# Altium PCB PCBv2.PcbDoc
Units mil, origin at the board's own origin, x right, y up, seen from the top; angles counter-clockwise.
Board outline 6000 x 4000 mil, 2 copper layers (Top Layer, Bottom Layer); 183 components, 163 nets, 707 pads, 0 vias.
Unrouted connection lines stored in the file: 445.
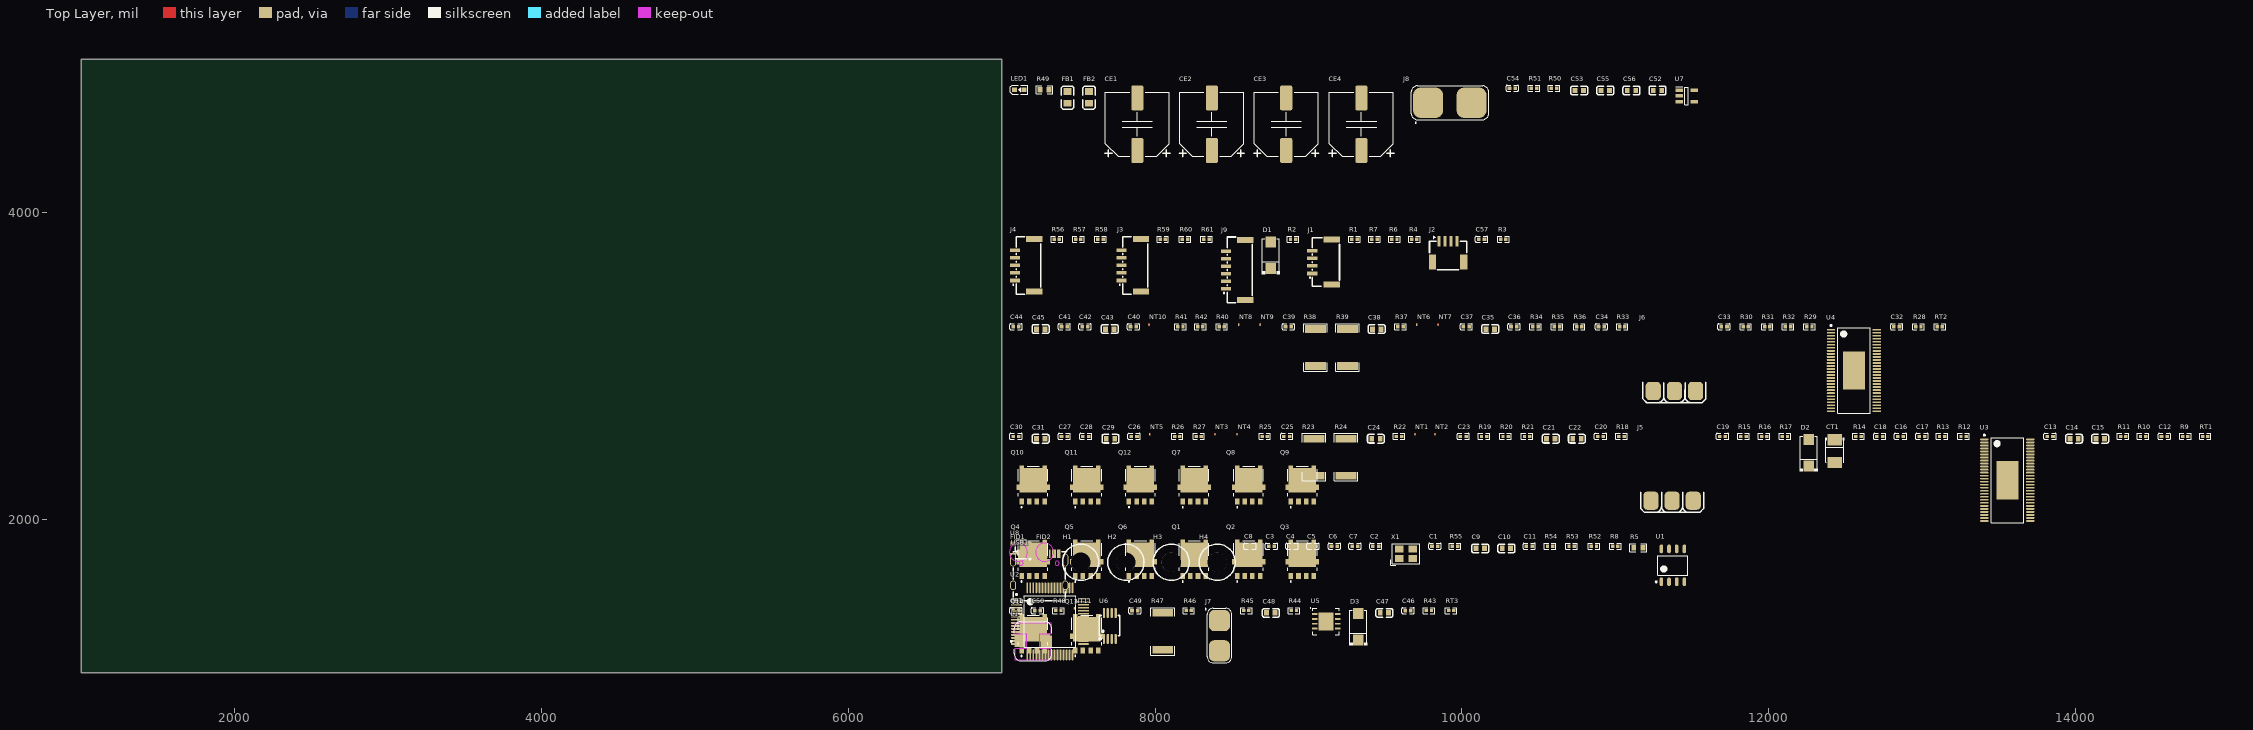
[diagram p0: Top Layer view]
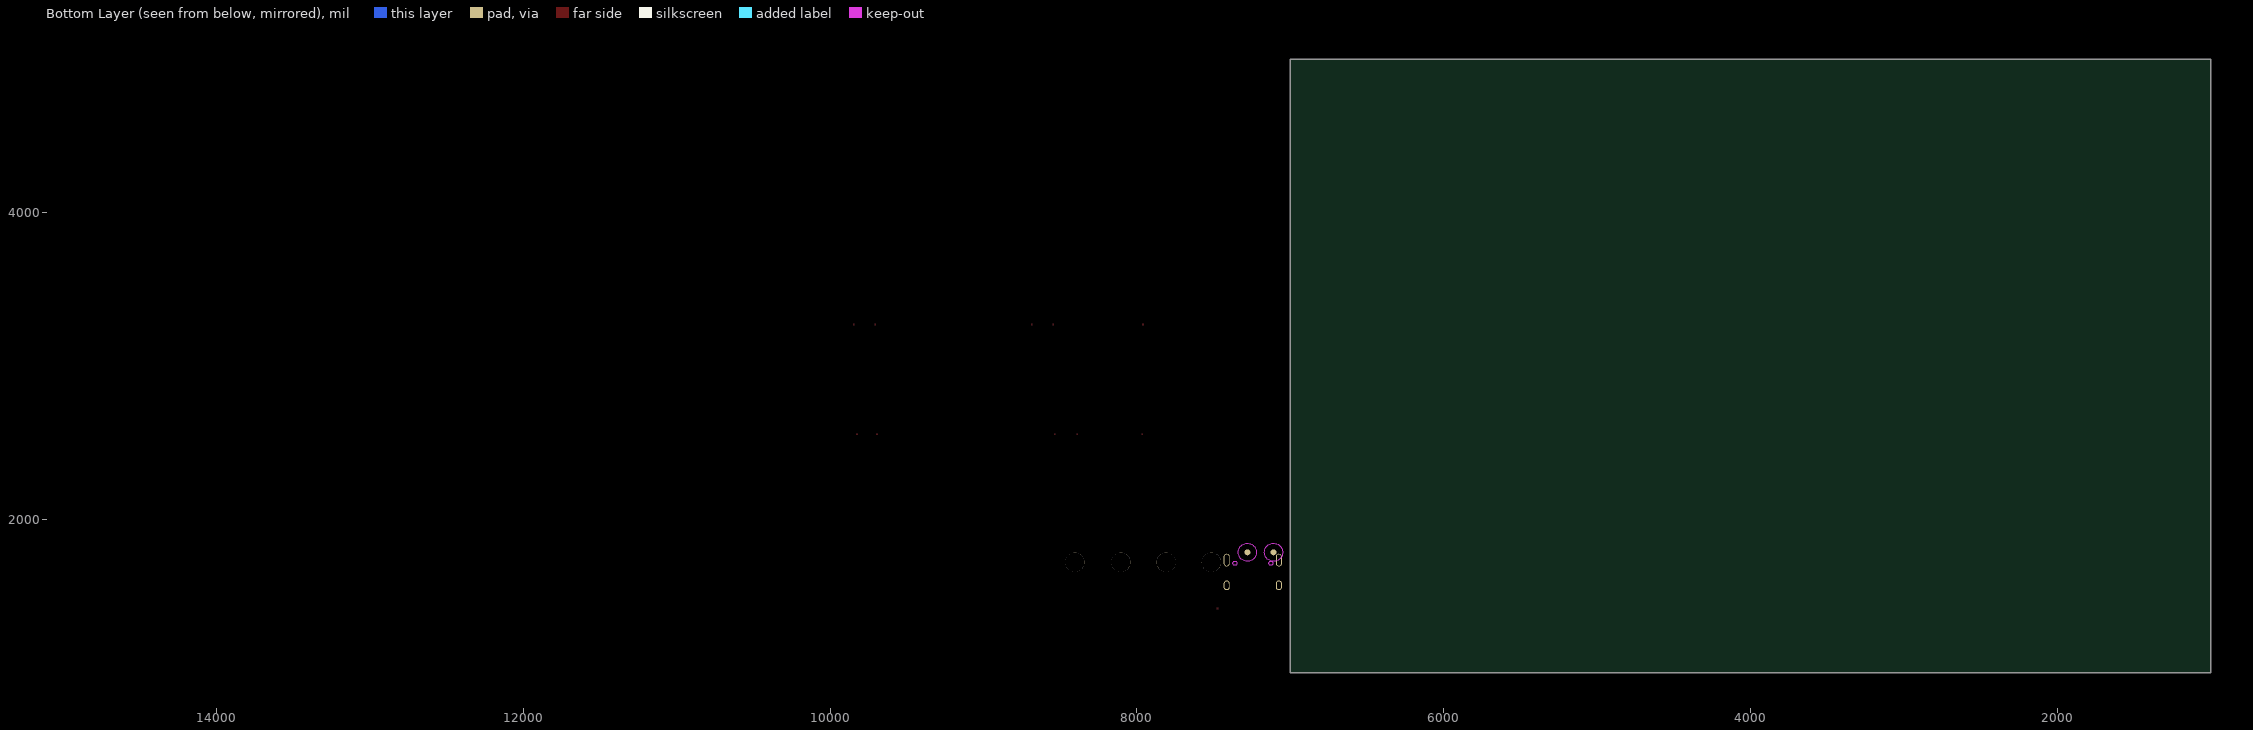
[diagram p1: Bottom Layer view, seen from below]

## Layer stack, top to bottom
Top Solder: solder mask 0.4, Solder Resist, Dk 3.5
Top Layer: signal copper 1.4
Dielectric 1: dielectric 12.6, FR-4, Dk 4.8
Bottom Layer: signal copper 1.4
Bottom Solder: solder mask 0.4, Solder Resist, Dk 3.5

## Board outline
1000,1000 7000,1000 7000,5000 1000,5000

## Design rules (kind name [scope] priority, off if disabled: settings)
Clearance [All] p1: gap=10 ignorepadtopadclearanceinfootprint=FALSE
DiffPairsRouting [All] p1: maxlimit=10 minlimit=10 mostfreqgap=10 toplayer_minwidth=15 toplayer_maxwidth=15 toplayer_prefwidth=15 bottomlayer_minwidth=15 bottomlayer_maxwidth=15 bottomlayer_prefwidth=15 maxuncoupledlength=500
PolygonConnect [All] p1: connectstyle=Relief reliefconductorwidth=10 reliefentries=4 polygonreliefangle="90 Angle" airgapwidth=10
RoomDefinition U_Power [InComponentClass('U_Power')] p1: confinementstyle=ConfineIn formatcopy=TRUE lockcomponents=FALSE outline 7045,3965 11555,3965 11555,4900 7045,4900
RoutingVias [All] p1: holewidth=28 width=50 viastyle="Through Hole" minholewidth=28 minwidth=50 maxholewidth=28 maxwidth=50
SolderMaskExpansion [All] p1: expansion=4 istentingtop=FALSE
SupplyNets "Schematic Supply Nets_8" [InNet('GVDD')] p1: voltage=0.000
SupplyNets "Schematic Supply Nets_7" [InNet('USB_5V')] p2: voltage=0.000
SupplyNets "Schematic Supply Nets_6" [InNet('VCC5V0_SYS')] p3: voltage=0.000
SupplyNets "Schematic Supply Nets_5" [InNet('AGND')] p4: voltage=0.000
SupplyNets "Schematic Supply Nets_4" [InNet('VCC3V3_ASYS')] p5: voltage=0.000
SupplyNets "Schematic Supply Nets_3" [InNet('GND')] p6: voltage=0.000
SupplyNets "Schematic Supply Nets_2" [InNet('VCC3V3_SYS')] p7: voltage=0.000
SupplyNets "Schematic Supply Nets_1" [InNet('PGND')] p8: voltage=0.000
SupplyNets "Schematic Supply Nets" [InNet('VCC16V8_DCBUS')] p9: voltage=0.000
Width [All] p1: maxlimit=10 minlimit=10 preferedwidth=10
29 further rules are at their usual default settings.

## Classes and differential pairs
net class GPIO_[1..5]: GPIO_1 GPIO_2 GPIO_3 GPIO_4 GPIO_5
component class U_Power: C52 C53 C54 C55 C56 CE1 CE2 CE3 CE4 FB1 FB2 J8 LED1 R49 R50 R51 U7 U8
component class U_Port: C57 D1 J1 J2 J3 J4 J9 R1 R2 R3 R4 R6 R7 R56 R57 R58 R59 R60 R61 USB1
component class U_MotorCell: C12 C13 C14 C15 C16 C17 C18 C19 C20 C21 C22 C23 C24 C25 C26 C27 C28 C29 C30 C31 CT1 D2 J5 L1 NT1 NT2 NT3 NT4 NT5 Q1 Q2 Q3 Q4 Q5 Q6 R9 R10 R11 R12 R13 R14 R15 R16 R17 R18 R19 R20 R21 R22 R23 R24 R25 R26 R27 RT1 U3
component class U_MotorCell_noPow: C32 C33 C34 C35 C36 C37 C38 C39 C40 C41 C42 C43 C44 C45 J6 NT6 NT7 NT8 NT9 NT10 Q7 Q8 Q9 Q10 Q11 Q12 R28 R29 R30 R31 R32 R33 R34 R35 R36 R37 R38 R39 R40 R41 R42 RT2 U4
component class U_Control: C1 C2 C3 C4 C5 C6 C7 C8 C9 C10 C11 FID1 FID2 H1 H2 H3 H4 R5 R8 R52 R53 R54 R55 U1 U2 X1
component class U_AuxHalfH: C46 C47 C48 C49 C50 C51 D3 J7 NT11 Q13 Q14 R43 R44 R45 R46 R47 R48 RT3 U5 U6
differential pair USB: +USB_P -USB_N
differential pair SENSE: +SENSE_P -SENSE_N
differential pair OSC: +OSC_P -OSC_N
differential pair CAN: +CAN_P -CAN_N
differential pair CAN_MCU: +CAN_MCU_P -CAN_MCU_N

## Components (designator, comment, footprint, x,y, rotation, side; value= is the part's Value field where it differs from the comment)
C1 "10pF ±5%_X7R" C0402 9805,1825 r0 top
C2 "10pF ±5%_X7R" C0402 9420,1825 r0 top
C3 "100nF ±5%_X7R" C0402 8740,1825 r0 top
C4 "100nF ±5%_X7R" C0402 8875,1825 r0 top
C5 "F ±5%_X7R" C0402 9010,1825 r0 top
C6 "F ±5%_X7R" C0402 9150,1825 r0 top
C7 "F ±5%_X7R" C0402 9285,1825 r0 top
C8 "100nF ±5%_X7R" C0402 8600,1825 r0 top
C9 "2.2uF ±5%_X7R" C0603 10120,1810 r0 top
C10 "2.2uF ±5%_X7R" C0603 10290,1810 r0 top
C11 "100nF ±5%_X7R" C0402 10420,1825 r0 top
C12 "2.2uF ±5%_X7R" C0402 14560,2540 r0 top
C13 "100nF ±5%_X7R" C0402 13815,2540 r0 top
C14 "4.7uF ±5%_X7R" C0603 13990,2525 r0 top
C15 "4.7uF ±5%_X7R" C0603 14160,2525 r0 top
C16 "82pF ±5%_X7R" C0402 12840,2540 r0 top
C17 "100nF ±5%_X7R" C0402 12980,2540 r0 top
C18 "270pF ±5%_X7R" C0402 12705,2540 r0 top
C19 "100nF ±5%_X7R" C0402 11680,2540 r0 top
C20 "100nF ±5%_X7R" C0402 10885,2540 r0 top
C21 "2.2uF ±5%_X7R" C0603 10580,2525 r0 top
C22 "22nF ±5%_X7R" C0603 10750,2525 r0 top
C23 "100nF ±5%_X7R" C0402 9990,2540 r0 top
C24 "2.2uF ±5%_X7R" C0603 9440,2525 r0 top
C25 "2.2nF ±5%_X7R" C0402 8840,2540 r0 top
C26 "2.2nF ±5%_X7R" C0402 7845,2540 r0 top
C27 "2.2nF ±5%_X7R" C0402 7390,2540 r0 top
C28 "2.2nF ±5%_X7R" C0402 7530,2540 r0 top
C29 "2.2uF ±5%_X7R" C0603 7710,2525 r0 top
C30 "100nF ±5%_X7R" C0402 7075,2540 r0 top
C31 "4.7uF ±5%_X7R" C0603 7255,2525 r0 top
C32 "2.2uF ±5%_X7R" C0402 12815,3255 r0 top
C33 "100nF ±5%_X7R" C0402 11690,3255 r0 top
C34 "100nF ±5%_X7R" C0402 10890,3255 r0 top
C35 "2.2uF ±5%_X7R" C0603 10185,3240 r0 top
C36 "22nF ±5%_X7R" C0402 10320,3255 r0 top
C37 "100nF ±5%_X7R" C0402 10010,3255 r0 top
C38 "2.2uF ±5%_X7R" C0603 9445,3240 r0 top
C39 "2.2nF ±5%_X7R" C0402 8850,3255 r0 top
C40 "2.2nF ±5%_X7R" C0402 7840,3255 r0 top
C41 "2.2nF ±5%_X7R" C0402 7390,3255 r0 top
C42 "2.2nF ±5%_X7R" C0402 7525,3255 r0 top
C43 "2.2uF ±5%_X7R" C0603 7705,3240 r0 top
C44 "100nF ±5%_X7R" C0402 7075,3255 r0 top
C45 "4.7uF ±5%_X7R" C0603 7255,3240 r0 top
C46 "2.2uF ±5%_X7R" C0402 9630,1405 r0 top
C47 "100nF ±5%_X7R" C0603 9495,1390 r0 top
C48 "2.2uF ±5%_X7R" C0603 8755,1390 r0 top
C49 "2.2uF ±5%_X7R" C0402 7850,1405 r0 top
C50 "100nF ±5%_X7R" C0402 7215,1405 r0 top
C51 "2.2uF ±5%_X7R" C0402 7075,1405 r0 top
C52 "1uF ±5%_X7R" C0603 11275,4795 r0 top
C53 "1uF ±5%_X7R" C0603 10765,4795 r0 top
C54 "2.2uF ±5%_X7R" C0402 10310,4810 r0 top
C55 "10uF ±5%_X7R" C0603 10935,4795 r0 top
C56 "10uF ±5%_X7R" C0603 11105,4795 r0 top
C57 "100nF ±5%_X7R" C0402 10110,3825 r0 top
CE1 "470uF / 35V" CAP_ELEC_SIZE_G 7885,4575 r0 top
CE2 "470uF / 35V" CAP_ELEC_SIZE_G 8370,4575 r0 top
CE3 "470uF / 35V" CAP_ELEC_SIZE_G 8855,4575 r0 top
CE4 "470uF / 35V" CAP_ELEC_SIZE_G 9345,4575 r0 top
CT1 "68uF ±10% 10V" CAP-SMD-R-RD 12430,2445 r90 top value=330uF
D1 "B340A-13-F" SMA_L4.4-W2.6-LS5.0-RD 8755,3720 r90 top
D2 "B340A-13-F" SMA_L4.4-W2.6-LS5.0-RD 12260,2435 r90 top
D3 "B340A-13-F" SMA_L4.4-W2.6-LS5.0-RD 9325,1300 r90 top
FB1 "?Ω@100MHz" L0805 7430,4750 r90 top
FB2 "?Ω@100MHz" L0805 7570,4750 r90 top
FID1 "MARK Point" FIDUCIAL 7110,1785 r0 top
FID2 "MARK Point" FIDUCIAL 7280,1785 r0 top
H1 "M3" M3_NPTH 7515,1720 r0 top
H2 "M3" M3_NPTH 7810,1720 r0 top
H3 "M?" M3_NPTH 8105,1720 r0 top
H4 "M3" M3_NPTH 8405,1720 r0 top
J1 "GH1.25-4P" GH1.25-4P 9100,3675 r90 top
J2 "SH1.0-4P" CONN-SMD_4P-P1.00_BX-SH1.0-4PWT 9910,3745 r0 top
J3 "GH1.25-5P" GH1.25-5P 7845,3655 r90 top
J4 "GH1.25-5P" GH1.25-5P 7150,3655 r90 top
J5 "MR30PB-F" "MR30PB-F [Straight] [SMT]" 11370,2180 r0 top
J6 "MR30PB-F" "MR30PB-F [Straight] [SMT]" 11385,2895 r0 top
J7 "2square_pads" 2pads_square 8420,1340 r0 top
J8 "XT60_2pads" XT60_2pads 9780,4715 r0 top
J9 "GH1.25-6P" GH1.25-6P 8525,3625 r90 top
L1 "22uH, 2A" WE-PD_6050R 7205,1205 r0 top
LED1 "GREEN" LED0603-RD 7115,4800 r0 top
NT1 "?mil" NETTIE_8mil 9695,2550 r90 top net-tie
NT2 "?mil" NETTIE_8mil 9825,2550 r90 top net-tie
NT3 "?mil" NETTIE_8mil 8390,2550 r90 top net-tie
NT4 "?mil" NETTIE_8mil 8535,2550 r90 top net-tie
NT5 "?mil" NETTIE_8mil 7965,2550 r90 top net-tie
NT6 "?mil" NETTIE_8mil 9705,3265 r90 top net-tie
NT7 "?mil" NETTIE_8mil 9845,3265 r90 top net-tie
NT8 "?mil" NETTIE_8mil 8545,3265 r90 top net-tie
NT9 "?mil" NETTIE_8mil 8685,3265 r90 top net-tie
NT10 "?mil" NETTIE_8mil 7960,3265 r90 top net-tie
NT11 "?mil" NETTIE_8mil 7475,1415 r90 top net-tie
Q1 "NTMFS4935NT1G" NRVTS10100EMFST1G 8180,1630 r0 top
Q2 "NTMFS4935NT1G" NRVTS10100EMFST1G 8535,1630 r0 top
Q3 "NTMFS4935NT1G" NRVTS10100EMFST1G 8885,1630 r0 top
Q4 "NTMFS4935NT1G" NRVTS10100EMFST1G 7130,1630 r0 top
Q5 "NTMFS4935NT1G" NRVTS10100EMFST1G 7480,1630 r0 top
Q6 "NTMFS4935NT1G" NRVTS10100EMFST1G 7830,1630 r0 top
Q7 "NTMFS4935NT1G" NRVTS10100EMFST1G 8180,2115 r0 top
Q8 "NTMFS4935NT1G" NRVTS10100EMFST1G 8535,2115 r0 top
Q9 "NTMFS4935NT1G" NRVTS10100EMFST1G 8885,2115 r0 top
Q10 "NTMFS4935NT1G" NRVTS10100EMFST1G 7130,2115 r0 top
Q11 "NTMFS4935NT1G" NRVTS10100EMFST1G 7480,2115 r0 top
Q12 "NTMFS4935NT1G" NRVTS10100EMFST1G 7830,2115 r0 top
Q13 "NTMFS4935NT1G" NRVTS10100EMFST1G 7480,1145 r0 top
Q14 "NTMFS4935NT1G" NRVTS10100EMFST1G 7130,1145 r0 top
R1 "22Ω ±1% 62.5mW" R0402 9300,3825 r0 top
R2 "22Ω ±1% 62.5mW" R0402 8900,3825 r0 top
R3 "5.1kΩ ±1% 62.5mW" R0402 10270,3825 r0 top
R4 "22Ω ±1% 62.5mW" R0402 9690,3825 r0 top
R5 "120Ω ±1% 100mW" R0603 11150,1815 r0 top
R6 "22Ω ±1% 62.5mW" R0402 9560,3825 r0 top
R7 "5.1kΩ ±1% 62.5mW" R0402 9430,3825 r0 top
R8 "47kΩ ±1% 100mW" R0402 11000,1825 r0 top
R9 "3.3kΩ ±1% 62.5mW" R0402 14715,2540 r0 top
R10 "18kΩ ±1% 100mW" R0402 14440,2540 r0 top
R11 "3.3kΩ ±1% 100mW" R0402 14310,2540 r0 top
R12 "220kΩ ±1% 100mW" R0402 13270,2540 r0 top
R13 "47kΩ ±1% 100mW" R0402 13130,2540 r0 top
R14 "18kΩ ±1% 100mW" R0402 12585,2540 r0 top
R15 "2.2Ω ±1% 100mW" R0402 11835,2540 r0 top
R16 "2.2Ω ±1% 100mW" R0402 11970,2540 r0 top
R17 "2.2Ω ±1% 100mW" R0402 12105,2540 r0 top
R18 "22Ω ±1% 100mW" R0402 11040,2540 r0 top
R19 "2.2Ω ±1% 100mW" R0402 10145,2540 r0 top
R20 "2.2Ω ±1% 100mW" R0402 10285,2540 r0 top
R21 "2.2Ω ±1% 100mW" R0402 10425,2540 r0 top
R22 "120Ω ±1% 62.5mW" R0402 9590,2540 r0 top
R23 "500uΩ ±1% 200mW" R2512 9035,2405 r90 top
R24 "500uΩ ±1% 200mW" R2512 9245,2405 r90 top
R25 "22Ω ±1% 62.5mW" R0402 8715,2540 r0 top
R26 "22Ω ±1% 62.5mW" R0402 8145,2540 r0 top
R27 "120Ω ±1% 62.5mW" R0402 8285,2540 r0 top
R28 "3.3kΩ ±1% 62.5mW" R0402 12975,3255 r0 top
R29 "18kΩ ±1% 100mW" R0402 12265,3255 r0 top
R30 "2.2Ω ±1% 100mW" R0402 11850,3255 r0 top
R31 "2.2Ω ±1% 100mW" R0402 11990,3255 r0 top
R32 "2.2Ω ±1% 100mW" R0402 12125,3255 r0 top
R33 "22Ω ±1% 100mW" R0402 11045,3255 r0 top
R34 "2.2Ω ±1% 100mW" R0402 10480,3255 r0 top
R35 "2.2Ω ±1% 100mW" R0402 10620,3255 r0 top
R36 "2.2Ω ±1% 100mW" R0402 10765,3255 r0 top
R37 "120Ω ±1% 62.5mW" R0402 9600,3255 r0 top
R38 "500uΩ ±1% 200mW" R2512 9045,3120 r90 top
R39 "500uΩ ±1% 200mW" R2512 9255,3120 r90 top
R40 "22Ω ±1% 62.5mW" R0402 8435,3255 r0 top
R41 "22Ω ±1% 62.5mW" R0402 8165,3255 r0 top
R42 "120Ω ±1% 62.5mW" R0402 8295,3255 r0 top
R43 "3.3kΩ ±1% 62.5mW" R0402 9785,1405 r0 top
R44 "2.2Ω ±1% 100mW" R0402 8905,1405 r0 top
R45 "2.2Ω ±1% 100mW" R0402 8595,1405 r0 top
R46 "120Ω ±1% 62.5mW" R0402 8220,1405 r0 top
R47 "500uΩ ±1% 200mW" R2512 8050,1270 r90 top
R48 "120Ω ±1% 62.5mW" R0402 7370,1405 r0 top
R49 "10kΩ ±1% 100mW" R0603 7280,4800 r0 top
R50 "10kΩ ±1% 62.5mW" R0402 10600,4810 r0 top
R51 "1kΩ ±1% 62.5mW" R0402 10470,4810 r0 top
R52 "22Ω ±1% 62.5mW" R0402 10860,1825 r0 top
R53 "22Ω ±1% 62.5mW" R0402 10715,1825 r0 top
R54 "22Ω ±1% 62.5mW" R0402 10575,1825 r0 top
R55 "22Ω ±1% 62.5mW" R0402 9955,1825 r0 top
R56 "3.3kΩ ±1% 62.5mW" R0402 7360,3825 r0 top
R57 "3.3kΩ ±1% 62.5mW" R0402 7500,3825 r0 top
R58 "3.3kΩ ±1% 62.5mW" R0402 7645,3825 r0 top
R59 "3.3kΩ ±1% 62.5mW" R0402 8050,3825 r0 top
R60 "3.3kΩ ±1% 62.5mW" R0402 8195,3825 r0 top
R61 "3.3kΩ ±1% 62.5mW" R0402 8335,3825 r0 top
RT1 "NTC_10kΩ ±1% 100mW" R0402 14845,2540 r0 top
RT2 "NTC_10kΩ ±1% 100mW" R0402 13115,3255 r0 top
RT3 "NTC_10kΩ ±1% 100mW" R0402 9930,1405 r0 top
U1 "SN65HVD232D" SOIC127P600X175-8N 11375,1700 r90 top
U2 "STM32F405RGT6" STM-LQFP64_N 7315,1335 r0 top
U3 "DRV8301" TSSOP50P810X120_HS-57N 13555,2255 r0 top
U4 "DRV8301" TSSOP50P810X120_HS-57N 12555,2970 r0 top
U5 "LM5109" SON80P400X80_HS-9N 9115,1335 r0 top
U6 "AD8418" MSOP-8_L3.0-W3.0-P0.65-LS5.0-BL 7705,1305 r0 top
U7 "LP5907MFX-3.3_NOPB" SOT95P280X145-5N 11465,4760 r0 top
U8 "ME6217C33M5G" SOT-23-5_L3.0-W1.7-P0.95-LS2.8-BR 7125,1805 r0 top
USB1 "USB-C 16P" USB-C-16P 7245,1670 r0 top
X1 "8MHz ±10ppm_10pF" CRYSTAL_3225 9635,1775 r0 top

## Footprints (in the part's own frame and the unit in brackets; to place one, negate y for a bottom-side part, rotate by r counter-clockwise, add the part's x,y. Pads: shape width x height; smd on the part's side, far side on the other; paste and mask are expansions set on the pad)
2pads_square [mm]
  rrect50% 3.5x3.5 smd: 1(0,0) 2(0,-5)
  silkscreen extent -2.39,-6.98 2.03,2.03
C0402 [mm]
  rect 0.6x0.55 smd paste-100 mask+0.051: 1(0,0) 2(0.95,0)
  silkscreen extent -0.55,-0.5 1.5,0.5, body extent -0.02,-0.25 0.98,0.25, height 0.5
C0603 [mm]
  rect 0.8x0.9 smd mask+0.051: 1(-0.7,0) 2(0.7,0)
  silkscreen extent -1.41,-0.71 1.39,0.72, body extent -0.8,-0.4 0.8,0.4, height 0.8
CAP-SMD-R-RD [mm] "CASE-B-3528"
  rect 1.9x2.376 smd mask+0.051: 1(1.899,0) 2(-1.899,0)
  silkscreen extent -1.83,-1.55 2.21,1.55, body extent -1.82,-1.4 1.88,1.4, height 2
CAP_ELEC_SIZE_G [mm] "Capacitor, polarized, aluminum can; 10.0x10.2mm DxH"
  round 0.635 on Mech15: 0(0,0)
  rrect25% 2x4.1 smd: 1(0,-4.35) 2(0,4.35)
  silkscreen extent -5.4,-5.4 5.4,5.3, body extent -5.25,-6 5.25,6, height 10.5
CONN-SMD_4P-P1.00_BX-SH1.0-4PWT [mm]
  rect 0.5x1.7 smd paste+0 mask+0.05: 1(-1.5,1.7) 2(-0.5,1.7) 3(0.5,1.7) 4(1.5,1.7)
  rect 1.2x2.5 smd paste+0 mask+0.05: 5(2.6,-1.7) 6(-2.6,-1.7)
  silkscreen extent -3.08,-3 3.08,2.59
CRYSTAL_3225 [mm] "4P-L3.2-W2.5-BL-2"
  rect 1.4x1.15 smd paste+0 mask+0.051: 1(-1.1,-0.8) 3(1.1,0.8) G(-1.1,0.8) G(1.1,-0.8)
  silkscreen extent -2.54,-1.9 2.29,1.65, body extent -1.6,-1.26 1.6,1.24, height 0.81
FIDUCIAL [mm] "1mm fiducial with 3mm keepout"
  round 1 smd paste-1 mask+0.5: 0(0,0)
  round 1 smd far side paste-1 mask+0.5: 0(0,0)
  Keep-Out Layer circle w0.025: c0,0 r1.5
GH1.25-4P [mm]
  rect 0.6x1.7 smd mask+0.05: 1(-1.845,1.905) 2(-0.595,1.905) 3(0.655,1.905) 4(1.905,1.905)
  rect 1x2.7 smd mask+0.05: 5(-3.695,-1.296) 6(3.755,-1.296)
  silkscreen extent -3.97,-2.59 4.03,2.39, body extent -4.13,-2.67 4.13,2.19, height 4.26
GH1.25-5P [mm]
  rect 0.6x1.7 smd mask+0.05: 1(-2.5,1.6) 2(-1.25,1.6) 3(0,1.6) 4(1.25,1.6) 5(2.5,1.6)
  rect 1x2.7 smd mask+0.05: 6(-4.35,-1.6) 7(4.35,-1.6)
  silkscreen extent -4.75,-2.7 4.75,2, body extent -4.75,-2.92 4.75,1.94, height 4.26
GH1.25-6P [mm]
  rect 0.6x1.7 smd mask+0.051: 1(-3.125,1.6) 2(-1.875,1.6) 3(-0.625,1.6) 4(0.625,1.6) 5(1.875,1.6) 6(3.125,1.6)
  rect 1x2.7 smd mask+0.051: 7(-4.975,-1.6) 8(4.975,-1.6)
  silkscreen extent -5.46,-2.79 5.46,2, body extent -5.38,-2.92 5.38,1.94, height 4.26
L0805 [mil]
  rect 44.59x54.21 smd paste-3937.01 mask+2: 1(-38.04,0) 2(38.04,0)
  silkscreen extent -77,-40 73,40
LED0603-RD [mm]
  rect 0.8x0.8 smd paste+0 mask+0.051: 1(0.799,0.003) 2(-0.799,-0.003)
  silkscreen extent -1.49,-0.75 1.39,0.76, body extent -0.81,-0.41 0.81,0.41, height 0.56
M3_NPTH [mm] "Hole without copper"
  round 3.2 hole 3.2 unplated: 1(0,0)
  silkscreen extent -3,-3 3,3
"MR30PB-F [Straight] [SMT]" [mm] "驱动器端"
  rrect50% 2.5x3 smd: 1(3.5,-1.489) 2(0,-1.489) 3(-3.5,-1.489)
  silkscreen extent -5.21,-3.43 5.21,-0.08, body extent -5.94,-1.78 5.94,9.62, height 2.74
MSOP-8_L3.0-W3.0-P0.65-LS5.0-BL [mil]
  oval 14.33x66.61 smd: 1(-38.39,-84.49) 2(-12.79,-84.49) 3(12.8,-84.49) 4(38.39,-84.49) 5(38.39,84.49) 6(12.8,84.49) 7(-12.79,84.49) 8(-38.39,84.49)
  silkscreen extent -69,-90 65,68, body extent -60,-98 58,98, height 39
NETTIE_8mil [mil]
  round 8 smd paste-78.74 mask+0: 1(0,0) 2(8,0)
  Top Layer region: 0,4 8,4 8,-4 0,-4
NRVTS10100EMFST1G [mm]
  rect 0.75x0.475 smd: D(0,5.779) D(3.81,5.779)
  rect 4.56x0.43 smd: D(1.905,1.699)
  rect 5.55x0.91 smd: D(1.905,2.364)
  rect 4.56x2.73 smd: D(1.905,4.179)
  rect 0.75x1 smd: G(3.81,0.021) S(0,0.021) S(1.27,0.021) S(2.54,0.021)
  silkscreen extent -0.55,-1 4.36,5.85, body extent -0.67,-0.45 4.48,5.71, height 1
R0402 [mm]
  rect 0.566x0.54 smd mask+0.051: 1(-0.433,0) 2(0.433,0)
  silkscreen extent -0.94,-0.5 0.94,0.5, body extent -0.5,-0.25 0.5,0.25, height 0.5
R0603 [mil]
  rect 31.75x34.02 smd mask+2: 1(-29.66,0) 2(29.66,0)
  silkscreen extent -55,-26 55,26, body extent -33,-16 31,16, height 18
R2512 [mil]
  rect 50.49x136.06 smd paste-3937.01 mask+2: 1(-120.72,0) 2(120.72,0)
  silkscreen extent -155,-77 155,77, body extent -124,-63 124,63, height 24
SMA_L4.4-W2.6-LS5.0-RD [mm]
  rect 1.8x1.7 smd paste+0 mask+0.051: 1(-2.192,0) 2(2.192,0)
  silkscreen extent -3.11,-1.48 2.73,1.48, body extent -2.6,-1.24 2.6,1.26, height 2.1
SOIC127P600X175-8N [mm] "SOIC, 8-Leads, Body 4.90x3.90mm, Pitch 1.27mm, IPC Medium Density"
  oval 1.45x0.6 smd: 1(-2.725,1.905) 2(-2.725,0.635) 3(-2.725,-0.635) 4(-2.725,-1.905) 5(2.725,-1.905) 6(2.725,-0.635) 7(2.725,0.635) 8(2.725,1.905)
  silkscreen extent -2.85,-2.5 1.6,2.88, body extent -2,-2.5 2,2.5, height 1.75
SON80P400X80_HS-9N [mm] "SON, 8-Leads, Body 4.00x4.00mm, Pitch 0.80mm, Thermal Pad 3.00x2.49mm, IPC Medium Density"
  rect 0.9x0.3 smd mask+0: 1(-1.895,1.2) 2(-1.895,0.4) 3(-1.895,-0.4) 4(-1.895,-1.2) 5(1.895,-1.2) 6(1.895,-0.4) 7(1.895,0.4) 8(1.895,1.2)
  rect 2.49x3 smd paste-1.245 mask+0: 9(0,0)
  silkscreen extent -2.65,-2.2 2.2,2.25, body extent -2.05,-2.05 2.05,2.05, height 0.8
SOT95P280X145-5N [mm]
  rect 1.2x0.6 smd: 1(-1.25,0.95) 2(-1.25,0) 3(-1.25,-0.95) 4(1.25,-0.95) 5(1.25,0.95)
  silkscreen extent -1.85,-1.45 0.3,1.5, body extent -1.4,-1.45 1.4,1.45, height 1.2
SOT-23-5_L3.0-W1.7-P0.95-LS2.8-BR [mm]
  rect 1x0.6 smd: 1(1.3,-0.95) 2(1.3,0) 3(1.3,0.95) 4(-1.3,0.95) 5(-1.3,-0.95)
  silkscreen extent -0.9,-1.78 1.65,1.55, body extent -1.45,-1.39 1.45,1.39, height 1.2
STM-LQFP64_N [mm] "Thin QFP, 64-Leads, Body 10x10mm, Pitch 0.5mm, IPC Medium Density"
  oval 1.8x0.3 smd: 1(-5.55,3.75) 2(-5.55,3.25) 3(-5.55,2.75) 4(-5.55,2.25) 5(-5.55,1.75) 6(-5.55,1.25) 7(-5.55,0.75) 8(-5.55,0.25) 9(-5.55,-0.25) 10(-5.55,-0.75) 11(-5.55,-1.25) 12(-5.55,-1.75) 13(-5.55,-2.25) 14(-5.55,-2.75) 15(-5.55,-3.25) 16(-5.55,-3.75) 33(5.55,-3.75) 34(5.55,-3.25) 35(5.55,-2.75) 36(5.55,-2.25) 37(5.55,-1.75) 38(5.55,-1.25) 39(5.55,-0.75) 40(5.55,-0.25) 41(5.55,0.25) 42(5.55,0.75) 43(5.55,1.25) 44(5.55,1.75) 45(5.55,2.25) 46(5.55,2.75) 47(5.55,3.25) 48(5.55,3.75)
  oval 0.3x1.8 smd: 17(-3.75,-5.55) 18(-3.25,-5.55) 19(-2.75,-5.55) 20(-2.25,-5.55) 21(-1.75,-5.55) 22(-1.25,-5.55) 23(-0.75,-5.55) 24(-0.25,-5.55) 25(0.25,-5.55) 26(0.75,-5.55) 27(1.25,-5.55) 28(1.75,-5.55) 29(2.25,-5.55) 30(2.75,-5.55) 31(3.25,-5.55) 32(3.75,-5.55) 49(3.75,5.55) 50(3.25,5.55) 51(2.75,5.55) 52(2.25,5.55) 53(1.75,5.55) 54(1.25,5.55) 55(0.75,5.55) 56(0.25,5.55) 57(-0.25,5.55) 58(-0.75,5.55) 59(-1.25,5.55) 60(-1.75,5.55) 61(-2.25,5.55) 62(-2.75,5.55) 63(-3.25,5.55) 64(-3.75,5.55)
  silkscreen extent -5.67,-4.25 4.25,4.57, body extent -5,-5 5,5, height 1.6
TSSOP50P810X120_HS-57N [mm] "TSSOP, 56-Leads, Body 14.00x6.10mm, Pitch 0.50mm, Thermal Pad 6.35x3.61mm, IPC Medium Density"
  oval 1.4x0.3 smd: 1(-3.8,6.75) 2(-3.8,6.25) 3(-3.8,5.75) 4(-3.8,5.25) 5(-3.8,4.75) 6(-3.8,4.25) 7(-3.8,3.75) 8(-3.8,3.25) 9(-3.8,2.75) 10(-3.8,2.25) 11(-3.8,1.75) 12(-3.8,1.25) 13(-3.8,0.75) 14(-3.8,0.25) 15(-3.8,-0.25) 16(-3.8,-0.75) 17(-3.8,-1.25) 18(-3.8,-1.75) 19(-3.8,-2.25) 20(-3.8,-2.75) 21(-3.8,-3.25) 22(-3.8,-3.75) 23(-3.8,-4.25) 24(-3.8,-4.75) 25(-3.8,-5.25) 26(-3.8,-5.75) 27(-3.8,-6.25) 28(-3.8,-6.75) 29(3.8,-6.75) 30(3.8,-6.25) 31(3.8,-5.75) 32(3.8,-5.25) 33(3.8,-4.75) 34(3.8,-4.25) 35(3.8,-3.75) 36(3.8,-3.25) 37(3.8,-2.75) 38(3.8,-2.25) 39(3.8,-1.75) 40(3.8,-1.25) 41(3.8,-0.75) 42(3.8,-0.25) 43(3.8,0.25) 44(3.8,0.75) 45(3.8,1.25) 46(3.8,1.75) 47(3.8,2.25) 48(3.8,2.75) 49(3.8,3.25) 50(3.8,3.75) 51(3.8,4.25) 52(3.8,4.75) 53(3.8,5.25) 54(3.8,5.75) 55(3.8,6.25) 56(3.8,6.75)
  rect 3.61x6.35 smd: 57(0,0)
  silkscreen extent -3.92,-7.05 2.7,7.57, body extent -3.1,-7.05 3.1,7.05, height 1.2
USB-C-16P [mm]
  oval 1.001x1.6 hole 0.599 slot 1.199 at 90 deg paste-2539.97 mask+0.051: 0(-4.321,-2.548) 0(4.321,-2.548)
  oval 1.001x2.101 hole 0.599 slot 1.801 at 90 deg paste-2539.97 mask+0.051: 0(-4.321,1.633) 0(4.321,1.633)
  rect 0.3x1.45 smd: A1(-3.071,2.7) A4(-2.309,2.7) A5(-1.25,2.7) A6(-0.25,2.7) A7(0.25,2.7) A8(1.25,2.7) A9(2.291,2.7) A12(3.079,2.7) B1(3.384,2.7) B4(2.596,2.7) B5(1.75,2.7) B6(0.75,2.7) B7(-0.75,2.7) B8(-1.75,2.7) B9(-2.614,2.7) B12(-3.376,2.7)
  Keep-Out Layer board cut-out: -2.629,1.102 -2.629,1.172 -2.682,1.301 -2.781,1.4 -2.91,1.453 -3.049,1.453 -3.178,1.4 -3.277,1.301 -3.33,1.172 -3.33,1.102 -3.33,1.033 -3.277,0.904 -3.178,0.805 -3.049,0.752 -2.91,0.752 -2.781,0.805 -2.682,0.904 -2.629,1.033 -2.629,1.102
  Keep-Out Layer board cut-out: 3.33,1.102 3.33,1.172 3.277,1.301 3.178,1.4 3.049,1.453 2.91,1.453 2.781,1.4 2.682,1.301 2.629,1.172 2.629,1.102 2.629,1.033 2.682,0.904 2.781,0.805 2.91,0.752 3.049,0.752 3.178,0.805 3.277,0.904 3.33,1.033 3.33,1.102
  silkscreen extent -4.32,-5.08 4.32,3.05, body extent -4.49,-5.02 4.44,2.73, height 3.29
WE-PD_6050R [mm] "SMT Shielded Power Inductor, 2-leads, body 5.9x6.2mm"
  rect 1.85x1.9 smd: 1(-2.175,0) 2(2.175,0)
  Top Layer keep-out region: -2.95,-3.1 -2.95,-1.15 -1.05,-1.15 -1.05,1.15 -2.95,1.15 -2.95,3.1 2.95,3.1 2.95,1.15 1.05,1.15 1.05,-1.15 2.95,-1.15 2.95,-3.1
  silkscreen extent -3.72,-3.25 3.1,3.25, body extent -2.95,-3.1 2.95,3.1, height 4.9
XT60_2pads [mm]
  rrect50% 5x5 smd: 1(0,0) 2(7.2,0)
  silkscreen extent -2.79,-3.4 10.03,2.79, body extent -4.31,-18.92 11.59,1.58, height 6.25

## Part data
C1 C2 C3 C4 C5 C6 C7 C8 C9 C10 C11 C12 C13 C14 C15 C16 C17 C18 C19 C20 C21 C22 C23 C24 C25 C26 C27 C28 C29 C30 C31 C32 C33 C34 C35 C36 C37 C38 C39 C40 C41 C42 C43 C44 C45 C46 C47 C48 C49 C50 C51 C52 C53 C54 C55 C56 C57: library part Cap, "Capacitor", LatestRevisionDate=17-Jul-2002, LatestRevisionNote="Re-released for DXP Platform.", PackageDescription="Radial Cap, Thru-Hole; 2 Leads; 0.3 in Pin Spacing", PackageReference=RAD-0.3, Published=8-Jun-2000, Publisher="Altium Limited"
CE1 CE2 CE3 CE4: library part "Cap Pol", "Polarized Capacitor (Axial)", LatestRevisionDate=17-Jul-2002, LatestRevisionNote="Re-released for DXP Platform.", PackageDescription="Polarized Capacitor; 2 Leads", PackageReference=POLAR0.8, Published=8-Jun-2000, Publisher="Altium Limited"
CT1: library part "Cap TANT", "容值:330uF;精度:±20%;额定电压:6.3V;等效串联电阻:-;", Equivalent Series Resistance(ESR)=-, JLCPCB Part Class=扩展库, LCSC Part Name="330uF ±20% 6.3V", Manufacturer=湘怡中元/湘江, Manufacturer Part=CA45-C6R3M337T, Rated Voltage=6.3V, Tolerance=±20%, Add into BOM=yes, Convert to PCB=yes, Datasheet=https://atta.szlcsc.com/upload/public/pdf/source/20191009/C435293_78A410F3D73489DBEAC46056C4262F7A.pdf, Device=CA45-C6R3M337T, Leakage Current(DCL)=-, Name=330uF, Ripple Current=-, Supplier=LCSC, Supplier Footprint=CASE-A-2312, Supplier Part=C2832686, Symbol=CA45-C6R3M337T
D1 D2 D3: library part Diode_Schottky, "直流反向耐压(Vr):40V;平均整流电流(Io):3A;正向压降(Vf):500mV@3A;", Average Rectified Current (Io)=3A, Forward Voltage (Vf@If)=500mV@3A, JLCPCB Part Class=扩展库, LCSC Part Name="40V 3A 500mV@3A", Manufacturer=DIODES(美台), Reverse Voltage (Vr)=40V, Add into BOM=yes, Convert to PCB=yes, Datasheet=https://atta.szlcsc.com/upload/public/pdf/source/20171023/C134454_15087453575121052549.pdf, Device=B340A-13-F, Manufacturer Part=B340A-13-F, Name=B340A-13-F, Supplier=LCSC, Supplier Footprint=SMA(DO-214AC), Supplier Part=C85098, Symbol=B340A-13-F
FB1 FB2: library part "Ferrite Bead", "标称阻抗@测试频率:600Ω@100MHz;误差:±25%;直流电阻(RDC):250mΩ;额定电流:2A", Current Rating=2A, DC Resistance=250mΩ, Impedance @ Frequency=600Ω@100MHz, JLCPCB Part Class="Extended Part", LCSC Part Name="600Ω@100MHz ±25%", Manufacturer=FH(风华), Manufacturer Part=CBW321609U601T, Tolerance=±25%, Add into BOM=yes, Circuits=1, Convert to PCB=yes, Datasheet=https://atta.szlcsc.com/upload/public/pdf/source/20160606/1465200211209.pdf, Device=CBW321609U601T, Name=CBW321609U601T, Supplier=LCSC, Supplier Footprint=SMD, Supplier Part=C73732, Symbol=CBW321609U601T
FID1 FID2: library part FIDUCIAL, "1mm Fiducial with 2mm soldermask, 3mm keepout"
H1 H2 H3 H4: library part NPTH, "Hole without copper"
J1 J3 J4 J9: JLCPCB Part Class="Extended Part", LCSC Part Name=GH1.25-5P立贴编带加盖, Manufacturer=BOOMELE(博穆精密), Manufacturer Part=GH1.25-5PLTPZ, Add into BOM=yes, Convert to PCB=yes, Datasheet=https://atta.szlcsc.com/upload/public/pdf/source/20211125/08A09A4909F58AF780B71FE423A00F7E.pdf, Device=GH1.25-5PLTPZ, Name=GH1.25-5PLTPZ, Supplier=LCSC, Supplier Footprint=-, Supplier Part=C2829263, Symbol=GH1.25-5PLTPZ
J2: "CONN-SMD_4P-P1.25_532610571-2", JLCPCB Part Class="Extended Part", LCSC Part Name=GH1.25-5P立贴编带加盖, Manufacturer=BOOMELE(博穆精密), Manufacturer Part=GH1.25-5PLTPZ, Add into BOM=yes, Convert to PCB=yes, Datasheet=https://atta.szlcsc.com/upload/public/pdf/source/20211125/08A09A4909F58AF780B71FE423A00F7E.pdf, Device=GH1.25-5PLTPZ, Name=GH1.25-5PLTPZ, Supplier=LCSC, Supplier Footprint=-, Supplier Part=C2829263, Symbol=GH1.25-5PLTPZ
J5 J6: library part "MR30PB-F [Straight] [SMT]", "驱动器端"
L1: library part 7447786122, "WE-PD SMT Power Inductor, size 6050R, 22uH, 2A, 115mOhm", Case/Size Code=6050R, DC Resistance=98mOhm, DC Resistance Max=115mOhm, Inductance=22uH, Manufacturer="Wurth Elektronik", Operating Temperature Max=125°C, Operating Temperature Min=-40°C, Rated Current=2A, Saturation Current=1.3A, Self Resonant Frequency=15MHz, Category="Power Inductors", ComponentLink1Description="Website Link", ComponentLink1URL=https://www.we-online.com/redexpert/article/7447786122?ad, ComponentLink2Description="Datasheet Link", ComponentLink2URL=https://www.we-online.com/redexpert/spec/7447786122?ad, Height=5.1mm, Length=5.9mm, Manufacturer Part Number=7447786122, Match Code=WE-PD, Mount="Surface Mount", Packaging="Tape and Reel", Type=Robust, Width=6.2mm
LED1: library part LED, "发光颜色:", Emitted Color=红灯, JLCPCB Part Class="Extended Part", Manufacturer=EVERLIGHT(亿光), Manufacturer Part=17-21SURC/S530-A2/TR8, Add into BOM=yes, Convert to PCB=yes, Datasheet=https://atta.szlcsc.com/upload/public/pdf/source/20170918/C131244_1505726880590976254.pdf, Device=17-21SURC/S530-A2/TR8, LCSC Part Name=红灯, Name=17-21SURC/S530-A2/TR8, Supplier=LCSC, Supplier Footprint=0805, Supplier Part=C131244, Symbol=17-21SURC/S530-A2/TR8
NT1 NT2 NT3 NT4 NT5 NT6 NT7 NT8 NT9 NT10 NT11: library part NETTIE
Q1 Q2 Q3 Q4 Q5 Q6 Q7 Q8 Q9 Q10 Q11 Q12 Q13 Q14: library part MOSFET-N, "MOSFET – Power, Single, / N-Channel, SO-8 FL / 30 V, 93 A", Current - Continuous Drain (Id) @ 25°C="13A (Ta), 93A (Tc)", Drain to Source Voltage (Vdss)=30V, Drive Voltage (Max Rds On,  Min Rds On)="4.5V, 10V", Input Capacitance (Ciss) (Max) @ Vds="4850pF @ 15V", Manufacturer="ON Semiconductor", Operating Temperature="-55°C ~ 150°C (TJ)", Package / Case="8-PowerTDFN, 5 Leads", Power Dissipation (Max)="930mW (Ta), 48W (Tc)", Supplier Device Package="5-DFN (5x6) (8-SOFL)", Supplier Part Number 1=NTMFS4935NT1GOSCT-ND, Category="Discrete Semiconductor Products", ComponentLink1Description=http://www.onsemi.com/pub_link/Collateral/NTMFS4935N-D.PDF, ComponentLink1URL=http://www.onsemi.com/pub_link/Collateral/NTMFS4935N-D.PDF, FET Feature=-, FET Type=N-Channel, Gate Charge (Qg) (Max) @ Vgs="49.4nC @ 10V", Manufacturer Part Number=NTMFS4935NT1G, Mounting Type="Surface Mount", Packaging="Cut Tape (CT)", Part Status=Active, Pricing 1="1=0.61, 10=0.541, 100=0.4145, 500=0.3277 (USD)", Rds On (Max) @ Id, Vgs="3.2 mOhm @ 30A, 10V", RoHS="RoHS Compliant", Stock 1=932, Supplier 1=Digi-Key, Technology="MOSFET (Metal Oxide)", Vgs (Max)=±20V, Vgs(th) (Max) @ Id="2.2V @ 250µA"
R1 R2 R3 R4 R5 R6 R7 R8 R9 R10 R11 R12 R13 R14 R15 R16 R17 R18 R19 R20 R21 R22 R23 R24 R25 R26 R27 R28 R29 R30 R31 R32 R33 R34 R35 R36 R37 R38 R39 R40 R41 R42 R43 R44 R45 R46 R47 R48 R49 R50 R51 R52 R53 R54 R55: library part Res, "Resistor", LatestRevisionDate=17-Jul-2002, LatestRevisionNote="Re-released for DXP Platform.", PackageDescription="Axial Device, Thru-Hole; 2 Leads; 0.3 in Pin Spacing", PackageReference=AXIAL-0.3, Published=8-Jun-2000, Publisher="Altium Limited"
R56 R57 R58 R59 R60 R61: library part Res, LatestRevisionDate=17-Jul-2002, LatestRevisionNote="Re-released for DXP Platform.", PackageDescription="Axial Device, Thru-Hole; 2 Leads; 0.3 in Pin Spacing", PackageReference=AXIAL-0.3, Published=8-Jun-2000, Publisher="Altium Limited"
RT1 RT2 RT3: library part "TEMP RES", "THERMISTOR 10K OHM NTC 0402 SMD"
U1: Manufacturer="Texas Instruments", Operating Temperature="-40°C ~ 85°C", Package / Case="8-SOIC (0.154\", 3.90mm Width)", Supplier Device Package=8-SOIC, Supplier Part Number 1=296-26344-2-ND, Voltage - Supply="3 V ~ 3.6 V", Category="Integrated Circuits (ICs)", ComponentLink1Description=http://www.ti.com/lit/ds/symlink/sn65hvd230.pdf, ComponentLink1URL=http://www.ti.com/lit/ds/symlink/sn65hvd230.pdf, Data Rate=1Mbps, Duplex=Half, Mounting Type="Surface Mount", Number of Drivers/Receivers=1/1, Packaging="Tape & Reel (TR)", Part Status=Active, Pricing 1="2500=0.84375 (USD)", Pricing 2="1=2.05, 10=1.842, 100=1.4809, 500=1.21668, 1000=1.00811 (USD)", Protocol=CAN, RoHS="RoHS Compliant", Stock=5000, Supplier 1=Digi-Key, Supplier 2=Digi-Key, Supplier Part Number 2=296-26344-1-ND, Type=Transceiver
U2: "ARM Cortex-M4 32-bit MCU+FPU, 210 DMIPS, 1024 kB Flash, 192 kB Internal RAM, 51 I/Os, 64-pin LQFP, -40 to 85 degC, Tray", I/Os (High Current)=51, Manufacturer=STMicroelectronics, Operating Frequency(F) (Processor speed) (MHz)=168, Supplier Part Number 1=497-11767-ND, Supply Voltage(Vcc) max (V)=3.6, Supply Voltage(Vcc) min (V)=1.8, ComponentLink1Description="Manufacturer URL", ComponentLink1URL=http://www.st.com/web/en/home.html, ComponentLink2Description=Datasheet, ComponentLink2URL=http://www.st.com/st-web-ui/static/active/en/resource/technical/document/datasheet/DM00037051.pdf, ComponentLink3Description="Package Specification", ComponentLink3URL=http://www.st.com/st-web-ui/static/active/en/resource/technical/document/datasheet/DM00037051.pdf, Core="ARM Cortex-M4", D/A Converter=2x12-bit, DatasheetVersion="Rev. 4", FLASH Size (Prog) (kB)=1024, Internal RAM Size (kB)=192, Mounting Technology="Surface Mount", PackageDescription="64-Pin Low Profile Quad Flat Package, 10 x 10 mm Body, 0.5 mm Pitch", PackageReference=LQFP64, PackageVersion="Rev. 4, 06/2013", Packing=Tray, PartNumber=STM32F405RGT6, Supplier 1=Digi-Key, Supplier 2=Farnell, Supplier 3=Newark, Supplier 4=Mouser, Supplier Part Number 2=2064363, Supplier Part Number 3=73T2329, Supplier Part Number 4=511-STM32F405RGT6
U3 U4: "MOTOR DRIVER, 3PH, 56HTSSOP"
U5: "DRIVER, MOSFET, HALF BRIDGE, WSON-8, 1A", Supplier Part Number 1=2400642RL, Supplier 1=Farnell, Supplier 2=Farnell, Supplier 3=Farnell, Supplier Part Number 2=2400642, Supplier Part Number 3=2382850
U6: library part AD8418WBRZ, "ANALOG DEVICES Current Sense Amplifier, Bidirectional, 1, 130 µA, NSOIC"
U7: "Integrated Circuit", Arrow Part Number=LP5907MFX-3.3/NOPB, Manufacturer_Name="Texas Instruments", Mouser Part Number=595-LP5907MFX-3.3NPB, Arrow Price/Stock=https://www.arrow.com/en/products/lp5907mfx-3.3nopb/texas-instruments?utm_currency=USD&region=nac, Datasheet Link=https://datasheet.datasheetarchive.com/originals/distributors/Datasheets-SFU2/DSASFU100037200.pdf, Height=1.45mm, Manufacturer_Part_Number=LP5907MFX-3.3/NOPB, Mouser Price/Stock=https://www.mouser.co.uk/ProductDetail/Texas-Instruments/LP5907MFX-3.3-NOPB?qs=biyDIajrTn6NhrJCoL%2FdSQ%3D%3D
U8: Dropout Voltage=180mV@(300mA), JLCPCB Part Class="Extended Part", Manufacturer=MICRONE(南京微盟), Maximum Input Voltage=7V, Output Current=800mA, Output Voltage=3.3V, Power Supply Rejection Ratio (PSRR)=65dB@(1kHz), Quiescent Current (Ground Current)=-, Add into BOM=yes, Convert to PCB=yes, Datasheet=https://atta.szlcsc.com/upload/public/pdf/source/20190910/C427602_D4B9162A2E9D9EF57C60010DFDECEF37.pdf, Device=ME6217C33M5G, LCSC Part Name=ME6217C33M5G, Manufacturer Part=ME6217C33M5G, Name=ME6217C33M5G, Number of Outputs=1, Output Polarity=正, Output Type=固定, Supplier=LCSC, Supplier Footprint=SOT-23-5, Supplier Part=C427602, Symbol=ME6217C33M5G
X1: library part CRYSTAL, "Crystal 8MHz ±10ppm 10pF 200 Ohm -10°C ~ 60°C Surface Mount 4-SMD, No Lead (DFN, LCC)", Frequency Stability=±10ppm, Load Capacitance=10pF, Manufacturer="Abracon LLC", Manufacturer Part Number=ABM3B-8.000MHZ-10-1-U-T, Operating Mode=Fundamental, Operating Temperature="-10°C ~ 60°C", Package / Case="4-SMD, No Lead", Ratings=-, Supplier Part Number 1=535-9721-1-ND, Category="Crystals, Oscillators, Resonators", ComponentLink1Description=http://www.abracon.com/Resonators/abm3b.pdf, ComponentLink1URL=http://www.abracon.com/Resonators/abm3b.pdf, Frequency Tolerance=±10ppm, Height - Seated (Max)="0.043\" (1.10mm)", Mounting Type="Surface Mount", Packaging="Cut Tape (CT)", Part Status=Active, Pricing 1="1=0.69, 10=0.578, 50=0.5198, 100=0.462, 500=0.4389 (USD)", Pricing 2="1000=0.336, 3000=0.315, 5000=0.3045, 10000=0.294 (USD)", RoHS="RoHS Compliant", Size / Dimension="0.197\" L x 0.126\" W (5.00mm x 3.20mm)", Stock=35437, Supplier 1=Digi-Key, Supplier 2=Digi-Key, Supplier Part Number 2=535-9721-2-ND, Type="MHz Crystal"

## Nets (pads, with @x,y where several pads share a name; then routed paths per layer and width w, separated by ;. In a path a pad name is that pad's centre, name@x,y a point inside that pad or via, vN(x,y) a via of type N, cw(c..) or ccw(c..) an arc to the next point about the centre after c; other vN are vias at no path point)
AGND: C8.1 C12.1 C24.2 C27.1 C28.1 C29.1 C32.1 C38.2 C41.1 C42.1 C43.1 C46.1 C50.1 C51.1 C53.1 C54.1 FB2.2 R9.2 R28.1 R43.1 R51.1 U2.12 U3.28 U4.28 U6.2 U6.3
AUX_H: U2.30 U5.2
AUX_I: C51.2 R48.1 U2.21
AUX_L: U2.29 U5.3
AUX_TEMP: C46.2 R43.2 RT3.2 U2.24
CAN_MCU_N: U1.4 U2.61
CAN_MCU_P: U1.1 U2.62
CAN_N: J1.2 R5.1 U1.6
CAN_P: J1.1 R5.2 U1.7
EN_GATE: U2.33 U3.16 U4.16
GH_A: R15.1 U3.47
GH_A_nP: R30.2 U4.47
GH_B: R16.1 U3.42
GH_B_nP: R31.2 U4.42
GH_C: R17.1 U3.37
GH_C_nP: R32.2 U4.37
GL_A: R19.1 U3.45
GL_A_nP: R34.2 U4.45
GL_B: R20.1 U3.40
GL_B_nP: R35.2 U4.40
GL_C: R21.1 U3.35
GL_C_nP: R36.2 U4.35
GND: C1.2 C2.2 C3.1 C4.1 C5.1 C6.1 C7.1 C9.1 C10.1 C11.1 C13.1 C14.1 C16.1 C18.1 C21.1 C31.1 C35.1 C45.1 C52.1 C55.1 C56.1 C57.1 CT1.2 D2.2 FB1.2 FB2.1 J1.4 J2.2 J3.5 J4.5 J9.6 LED1.2 R3.1 R7.2 R8.2 R11.1 R12.2 R14.2 R29.2 U1.2 U2.18 U2.63 U3.57 U4.55 U4.57 U7.2 U8.2 U8.4 USB1.0 USB1.A1 USB1.A12 USB1.B1 USB1.B12 X1.G
GPIO_1: J9.1 U2.14
GPIO_2: J9.2 U2.15
GPIO_3: J9.3 U2.16
GPIO_4: J9.4 U2.17
GPIO_5: J9.5 U2.28
GVDD: C21.2 C35.2 C48.2 D3.2 U3.13 U4.13 U5.1
M0_ENC_A: J3.4 R58.1 U2.56
M0_ENC_B: J3.3 R57.1 U2.57
M0_ENC_Z: J3.2 R56.1 U2.50
M0_nCS: R54.1 U3.8
M0_SN1: NT1.1 R22.1
M0_SN2: NT2.1 R27.1
M0_SP1: C25.1 NT3.1 U3.32
M0_SP2: C26.1 NT4.1 U3.30
M0_TEMP: C12.2 R9.1 RT1.2 U2.25
M1_ENC_A: J4.4 R61.1 U2.58
M1_ENC_B: J4.3 R60.1 U2.59
M1_ENC_Z: J4.2 R59.1 U2.55
M1_nCS: R55.1 U4.8
M1_SN1: NT6.1 R37.1
M1_SN2: NT7.1 R42.1
M1_SP1: C39.1 NT8.1 U4.32
M1_SP2: C40.1 NT9.1 U4.30
M1_TEMP: C32.2 R28.2 RT2.2 U2.20
NetC9_2: C9.2 U2.47
NetC10_2: C10.2 U2.31
NetC16_2: C16.2 R13.2 U3.2
NetC17_1: C17.1 D2.1 L1.1 U3.50 U3.51
NetC17_2: C17.2 U3.52
NetC18_2: C18.2 R13.1
NetC19_2: C19.2 U3.48
NetC20_2: C20.2 U3.43
NetC22_1: C22.1 U3.14
NetC22_2: C22.2 U3.15
NetC23_2: C23.2 U3.38
NetC24_1: C24.1 U3.23
NetC25_2: C25.2 R22.2 U3.33
NetC26_2: C26.2 R27.2 U3.31
NetC27_2: C27.2 R25.2 U2.8
NetC28_2: C28.2 R26.2 U2.9
NetC29_2: C29.2 U3.27
NetC33_2: C33.2 U4.48
NetC34_2: C34.2 U4.43
NetC36_1: C36.1 U4.14
NetC36_2: C36.2 U4.15
NetC37_2: C37.2 U4.38
NetC38_1: C38.1 U4.23
NetC39_2: C39.2 R37.2 U4.33
NetC40_2: C40.2 R42.2 U4.31
NetC41_2: C41.2 R40.2 U2.11
NetC42_2: C42.2 R41.2 U2.10
NetC43_2: C43.2 U4.27
NetC47_1: C47.1 J7.1 Q13.S Q14.D U5.6
NetC47_2: C47.2 D3.1 U5.8
NetC49_2: C49.2 R46.2 U6.1
NetJ2_3: J2.3 R4.2
NetJ2_4: J2.4 R6.1
NetLED1_1: LED1.1 R49.1
NetQ1_G: Q1.G R15.2
NetQ2_G: Q2.G R16.2
NetQ3_G: Q3.G R17.2
NetQ4_G: Q4.G R19.2
NetQ5_G: Q5.G R20.2
NetQ6_G: Q6.G R21.2
NetQ7_G: Q7.G R30.1
NetQ8_G: Q8.G R31.1
NetQ9_G: Q9.G R32.1
NetQ10_G: Q10.G R34.1
NetQ11_G: Q11.G R35.1
NetQ12_G: Q12.G R36.1
NetQ13_G: Q13.G R44.1
NetQ14_G: Q14.G R45.1
NetR3_2: R3.2 USB1.A5
NetR7_1: R7.1 USB1.B5
NetR8_1: R8.1 U2.60
NetR12_1: R12.1 U3.1
NetR14_1: R14.1 U3.7
NetR18_2: R18.2 U3.10
NetR25_1: R25.1 U3.25
NetR26_1: R26.1 U3.26
NetR29_1: R29.1 U4.7
NetR33_2: R33.2 U4.10
NetR40_1: R40.1 U4.25
NetR41_1: R41.1 U4.26
NetR44_2: R44.2 U5.7
NetR45_2: R45.2 U5.5
NetR48_2: R48.2 U6.5
NetR52_2: R52.2 U2.51
NetR53_2: R53.2 U2.53
NetR54_2: R54.2 U2.2
NetR55_2: R55.2 U2.3
NetU2_4: U2.4 U4.12
NetU2_23: U2.23 U4.18
NetU2_26: U2.26 U4.20
NetU2_27: U2.27 U4.22
NetU2_34: U2.34 U3.18
NetU2_35: U2.35 U3.20
NetU2_36: U2.36 U3.22
NetU2_37: U2.37 U4.17
NetU2_38: U2.38 U4.19
NetU2_39: U2.39 U4.21
NetU2_40: U2.40 U3.12
NetU2_41: U2.41 U3.17
NetU2_42: U2.42 U3.19
NetU2_43: U2.43 U3.21
nFAULT: U2.54 U3.6 U4.6
nRST: C11.2 U2.7
OSC_N: C2.1 U2.6 X1.1
OSC_P: C1.1 U2.5 X1.3
PGND: C15.1 C30.1 C44.1 C48.1 CE1.2 CE2.2 CE3.2 CE4.2 FB1.1 J8.2 NT3.2 NT4.2 NT5.2 NT8.2 NT9.2 NT10.1 NT11.1 Q14.S R23.1 R24.1 R38.1 R39.1 R47.2 U5.4 U5.9
SENSE_N: J7.2 R46.1 R47.1
SENSE_P: C49.1 NT11.2 U6.8
SH_A: C19.1 J5.3 Q1.S Q4.D U3.46
SH_A_nP: C33.1 J6.3 Q7.S Q10.D U4.46
SH_B: C20.1 J5.2 Q2.S Q5.D U3.41
SH_B_nP: C34.1 J6.2 Q8.S Q11.D U4.41
SH_C: C23.1 J5.1 Q3.S Q6.D U3.36
SH_C_nP: C37.1 J6.1 Q9.S Q12.D U4.36
SL_A: NT5.1 Q4.S U3.44
SL_A_nP: NT10.2 Q10.S U4.44
SL_B: NT1.2 Q5.S R23.2 U3.39
SL_B_nP: NT6.2 Q11.S R38.2 U4.39
SL_C: NT2.2 Q6.S R24.2 U3.34
SL_C_nP: NT7.2 Q12.S R39.2 U4.34
SPI_MISO: R18.1 R33.1 U2.52
SPI_MOSI: R53.1 U3.9 U4.9
SPI_SCK: R52.1 U3.11 U4.11
SWCLK: R6.2 U2.49
SWDIO: R4.1 U2.46
USB_5V: D1.2 USB1.A4 USB1.A9 USB1.B4 USB1.B9
USB_DN: R1.1 USB1.A7 USB1.B7
USB_DP: R2.1 USB1.A6 USB1.B6
USB_N: R1.2 U2.44
USB_P: R2.2 U2.45
VBUS_S: C54.2 R50.1 R51.2 U2.22
VCC3V3_ASYS: C8.2 C50.2 C53.2 RT1.1 RT2.1 RT3.1 U2.13 U3.24 U4.24 U6.6 U6.7 U7.5
VCC3V3_SYS: C3.2 C4.2 C5.2 C6.2 C7.2 C56.2 C57.2 J1.3 J2.1 U1.3 U2.1 U2.19 U2.32 U2.48 U2.64 U3.49 U4.49 U8.5
VCC5V0_SYS: C52.2 C55.2 CT1.1 D1.1 J3.1 J4.1 L1.2 R10.2 R49.2 R56.2 R57.2 R58.2 R59.2 R60.2 R61.2 U7.1 U7.3 U8.1 U8.3
VCC16V8_DCBUS: C13.2 C14.2 C15.2 C30.2 C31.2 C44.2 C45.2 CE1.1 CE2.1 CE3.1 CE4.1 J8.1 Q1.D Q2.D Q3.D Q7.D Q8.D Q9.D Q13.D R50.2 U3.29 U3.53 U3.54 U4.29
VSENSE: R10.1 R11.2 U3.3
pads on no net: CE1.0 CE2.0 CE3.0 CE4.0 FID1.0 FID2.0 H1.1 H2.1 H3.1 H4.1 J1.5 J1.6 J2.5 J2.6 J3.6 J3.7 J4.6 J4.7 J9.7 J9.8 U1.5 U1.8 U3.4 U3.5 U3.55 U3.56 U4.1 U4.2 U4.3 U4.4 U4.5 U4.50 U4.51 U4.52 U4.53 U4.54 U4.56 U6.4 U7.4 USB1.A8 USB1.B8